# KiCad board SHVC-CPU-01.kicad_pcb (continued)
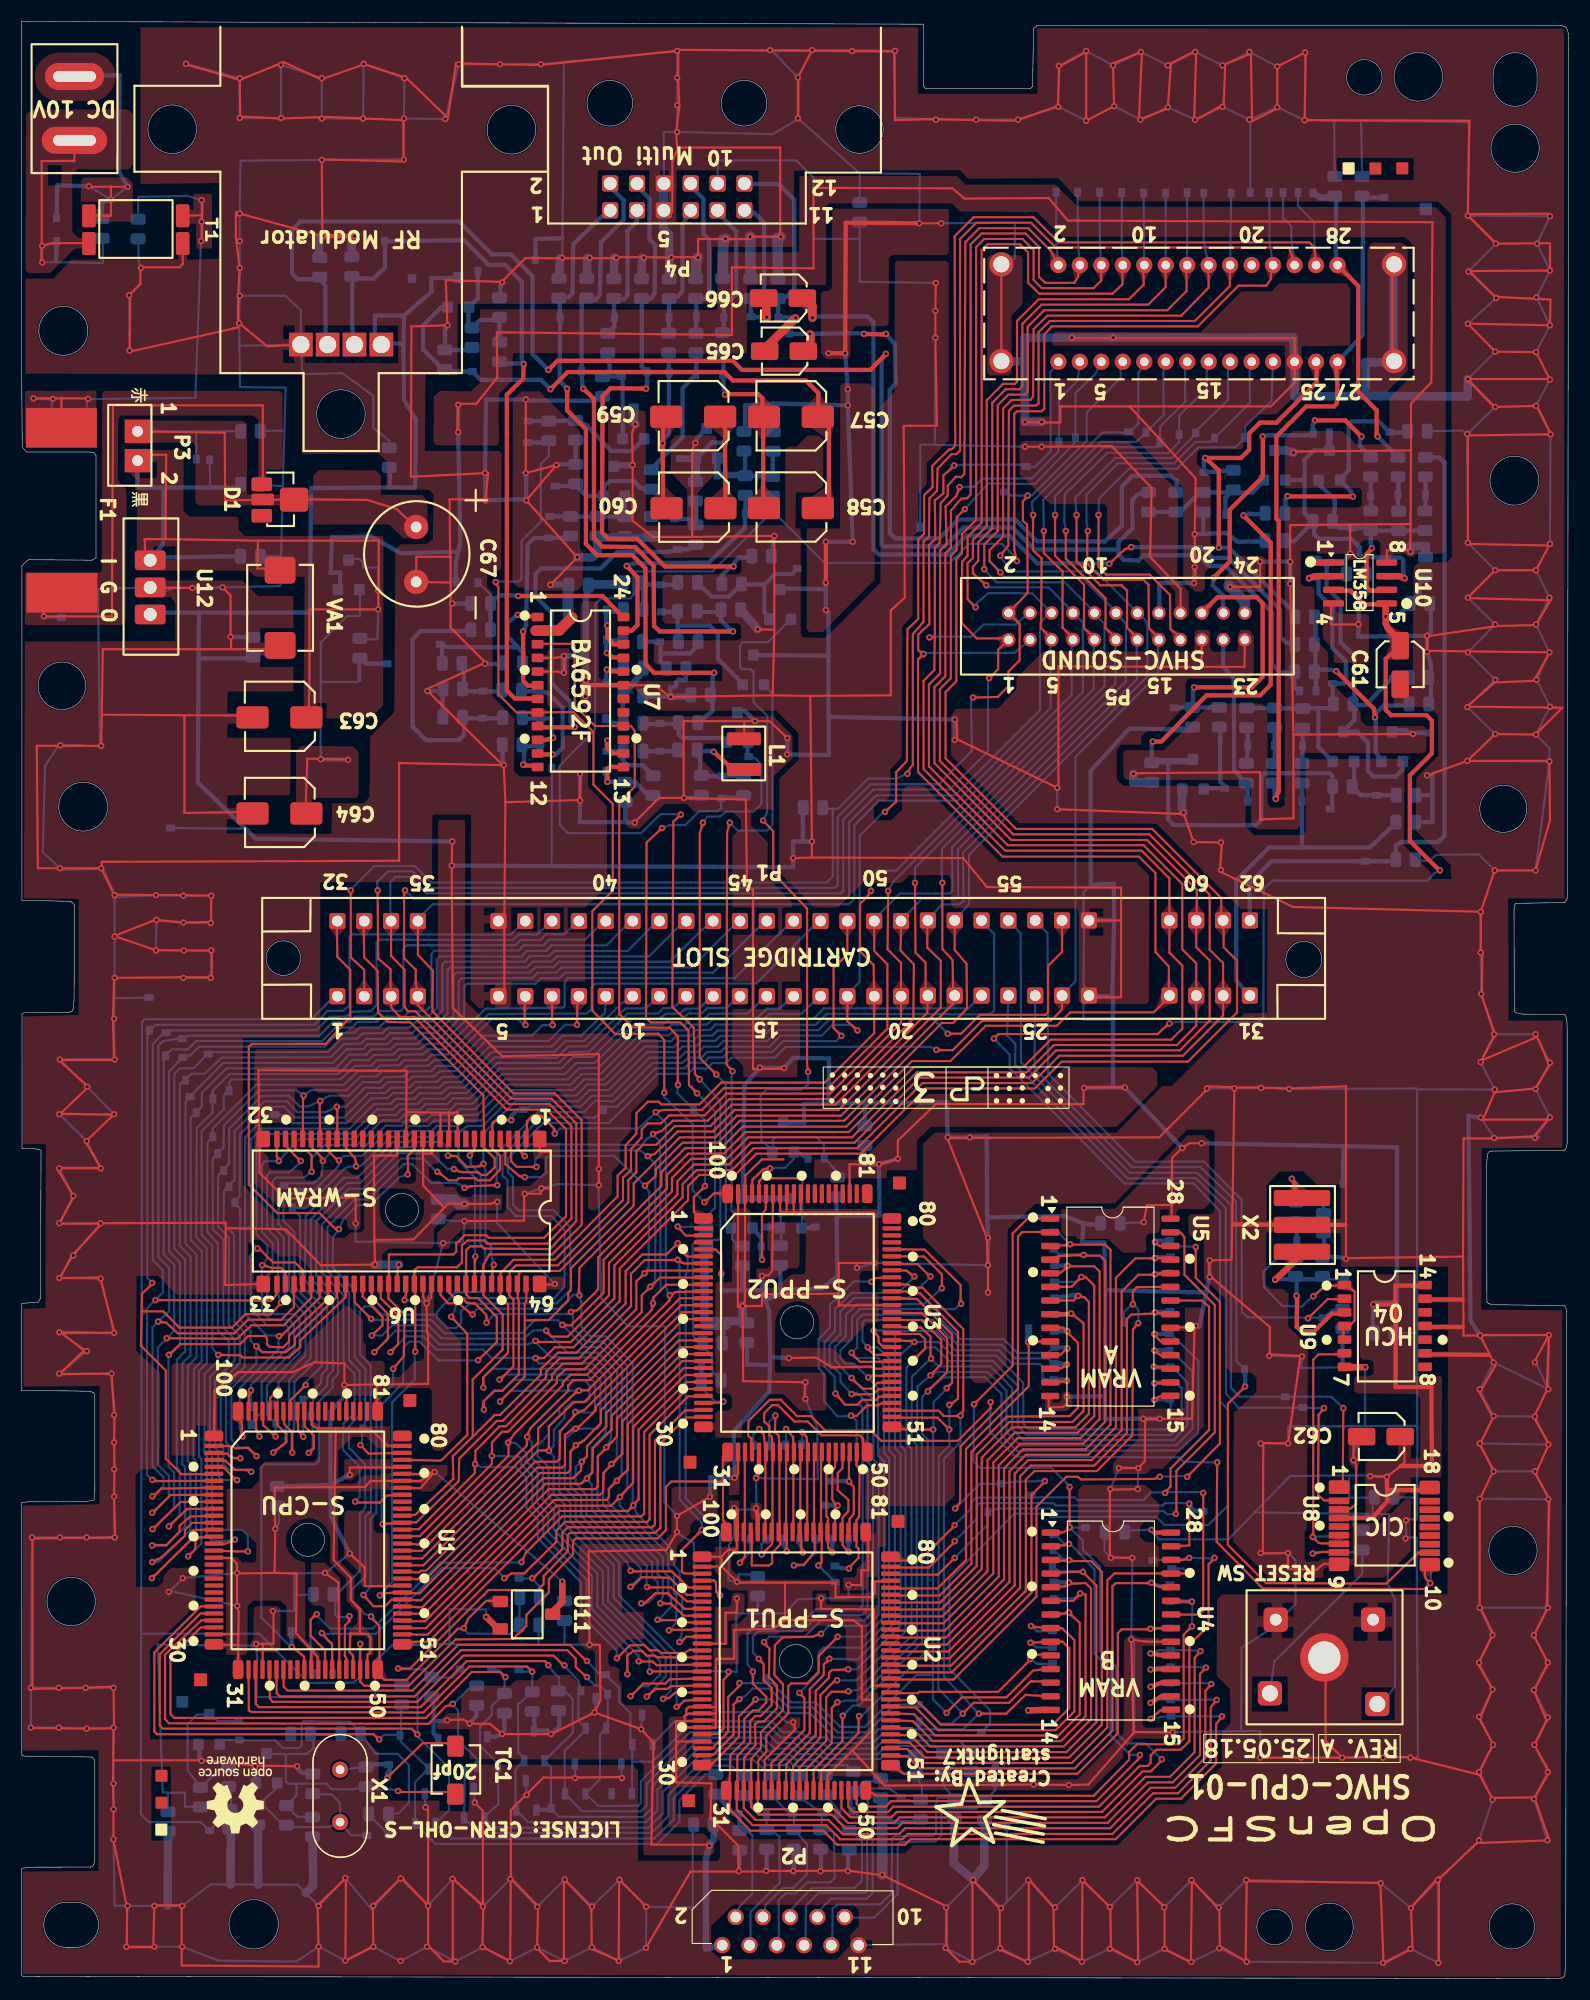
[diagram p0: board, top side]
## Routing (per net, layer and track width the routed paths; a pad name or vN(x,y) marks a point on that pad's centre or on a via; arc(x,y) is an arc through that point) (continued)
  vias: v1(45.08,28.06)
J2.OE: length 86.3
  Top w0.2: 52.58,28.11 51.63,29.01 51.63,29.78 50.85,30.56 40.93,30.56 36.62,26.26 24.08,26.26 23.78,26.56 U1.36
  Bottom w0.2: 52.7,27.98 53.41,27.28 53.89,27.28 54.6,26.57 TP11.1 54.63,23.96 DA7.2 53.89,22.73 53.89,18.55 DA2.2 53.75,16.06 57.45,16.09 57.7,16.39 57.7,18.37 62.27,22.94 69.4,22.94 70.42,21.92 72.02,21.92 72.58,21.36 74.38,21.41 74.85,20.89 79.78,20.89 80.54,21.65 85.09,21.65 R90.1
  vias: v1(52.68,28.06)
J.D6: length 83.6
  Top w0.2: 17.93,34.64 16.73,34.66 12.38,30.36 12.38,23 12.63,22.74 32.8,22.74 33.28,22.26
  Bottom w0.2: v1(33.33,22.26) 33.76,22.67 34.75,22.69 35.32,22.69 ; 35.15,22.7 35.36,22.71 35.35,23.24 35.33,25.19 R77.1 ; 35.33,22.69 35.33,22.06 37.73,19.76 DA10.1 37.68,19.31 36.65,18.26 DA5.1 38.56,12.54 59.22,12.54 61.3,14.61 61.28,16.59 63.68,18.99 R83.1
J.D7: length 137.2
  Top w0.2: U1.26 16.67,33.99 12.88,30.19 12.88,23.56 13.18,23.26 36.34,23.26 36.78,22.83 36.78,22.81 ; U3.29 63.48,52.24 61.92,52.24 59.51,49.83 59.51,41.98 59.03,41.49 51.11,41.49 50.88,41.26 50.88,39.76 48.63,37.46 48.63,36.71 48.08,36.17 43.5,36.17 36.19,28.86 v1(35.08,28.86)
  Bottom w0.2: v1(36.89,22.72) 36.89,26.47 38.1,27.69 38.1,27.74 ; v1(35.08,28.86) 35.15,28.79 37.48,28.79 R78.2 40.18,28.01 TP212.1 ; R84.1 67.09,18.85 66.11,19.82 63.74,19.82 60.75,16.83 60.75,14.79 58.93,13.04 40,13.04 38.6,14.45 39.83,15.68 39.83,18.61 DA10.2 39.81,19.62 36.95,22.48 36.95,22.69
L1: length 10.5
  Top w0.4: v1(64.48,114.21) 66.33,112.51
  Bottom w0.4: 63.33,112.04 63.22,112.14 63.22,114.09 R28.1 63.03,114.28 64.21,114.28 64.28,114.21 ; R29.2 TP24.1 63.21,111.93
LA: length 15.2
  Top w0.8: C66.2 69.38,155.86 69.38,154.71 v1(69.43,154.66)
  Bottom w0.4: 67.93,156.39 67.93,155.11 TP18.1 68.28,154.66 v1(69.43,154.66) ; 68.18,156.26 68.75,156.29 69.18,156.71 69.18,163.46 68.25,164.39 P4.11
MONO: length 38.9
  Top w0.4: 120.68,150.36 120.63,149.16 120.63,148.58 116.9,144.86 115.36,144.86 114.36,143.86 114.36,142.34 113.58,141.56 v1(110.28,141.56) 111.53,140.41 v1(111.53,133.21)
  Bottom w0.4: v1(110.28,141.56) 110.13,141.41 110.13,140.22 TP84.1 111.98,140.36 R66.1 ; v1(111.53,133.21) 112.48,133.21 118.11,127.59 118.15,127.59 R69.2
MUTE: length 25.7
  Top w0.4: v1(109.23,120.21) 114.63,120.21 115.61,121.2 115.61,128.04 115.06,128.6 111.4,128.6 P5.20
  Bottom w0.4: v1(109.23,120.21) 109.13,119.81 109.13,118.89 ; R48.2 R47.2 TP66.1
OUT0: length 81.2
  Top w0.2: U1.37 24.43,27.16 24.78,26.81 36.43,26.81 40.67,31.05 51.12,31.05 52.66,29.51 52.73,29.51
  Bottom w0.2: 56.88,20.19 58.77,20.19 62.02,23.43 69.71,23.43 70.7,22.44 72.45,22.41 72.88,21.91 74.7,21.91 75.21,21.4 79.52,21.4 80.28,22.16 87.35,22.14 88.45,21.12 ; 56.88,20.19 DA6.1 56.73,22.51 56.73,24.7 55.68,25.75 55.68,27.06 54.4,28.29 53.73,28.46 v1(52.68,29.56) ; 56.88,20.19 DA1.2
OUT1: length 36.5
  Top w0.6: U10.1 120.58,131.81 v1(119.98,132.11)
  Bottom w0.4: 128.64,112.87 128.63,112.54 127.99,111.9 125.96,111.9 125.43,112.44 125.43,115.08 124.42,116.09 123.9,116.09 Q15.3 123.6,116.61 124.15,117.14 124.15,117.51 124.16,117.52 124.16,118.53 R63.1 124.15,118.79 124.15,123.11 122.87,124.39 122.87,128.19 121.58,129.48 121.58,131.49 120.85,132.26 120.2,132.29 v1(119.98,132.11) ; 127.73,121.06 127.23,120.64 125.23,118.56 124.95,118.56 124.16,118.57 ; TP70.1 129,121.08
OUT2: length 29.7
  Top w0.6: v1(128.83,130.36) 128.33,130.56 U10.7
  Bottom w0.4: 119.52,139.62 119.52,141.4 120.38,142.26 Q14.3 121.84,142.27 ; 120.43,135.61 120.43,134.46 120.88,134.03 123.88,134.03 124.68,133.24 124.65,132.54 125.05,132.34 128.43,132.29 128.7,132.09 128.7,131.06 v1(128.83,130.36) ; 121.84,143.87 121.88,143.91 ; 117.73,133.81 118.58,133.81 119.45,134.74 ; 117.71,139.5 119.52,139.51 119.52,136.4 120.26,135.66 R56.1 119.48,134.76
  Bottom w0.6: TP81.1 Q14.3
OV: length 27.2
  Top w0.2: U3.50 78.38,49.91 78.38,50.27 78.07,50.57 74.51,50.57 73.23,51.86 71.99,51.86 70.47,53.38 69.92,53.38 69.18,52.63 69.18,51.86 69.68,51.41 69.68,50.61 69.88,50.46 U3.37 69.95,48.96 69.95,41.61 ; v1(68.94,39.47) 69.93,40.46 69.93,41.16
  Bottom w0.2: 68.93,39.51 68.93,40.46 TP197.1
P.CI: length 22.4
  Top w0.2: v1(70.23,52.41) 70.18,50.86 70.53,50.56 U3.38 70.61,48.97 70.61,41.61 70.65,41.56 70.68,40.41 69.93,39.61 69.93,38.66 69.63,38.46 68.03,38.46 68.03,40.46 68.05,41.56
  Bottom w0.2: TP112.1 69.63,49.81 69.63,51.81 v1(70.23,52.41)
P.CO: length 6.4
  Top w0.2: U3.27 65.13,53.61
  Bottom w0.2: v1(65.38,53.71) 64.63,53.71 63.36,54.98 63.36,55.44 63.53,55.61
  Bottom w0.4: TP117.1 R98.1
P.RESO: length 88.4
  Top w0.2: v1(111.38,48.06) 111.33,40.66 115.63,36.31 130.73,36.26 v1(131.23,36.81) 130.83,37.21 130.73,37.41 130.73,37.91 U8.10 130.73,38.09 ; U3.34 67.98,50.26 67.68,50.56 67.73,51.91 69.7,53.89 70.72,53.89 72.24,52.36 73.53,52.36 74.88,51.01 79.13,51.01 80.09,50.05 87.21,50.05 90.28,53.12 90.28,53.51
  Bottom w0.2: v1(131.23,36.81) 131.28,37.36 131.28,38.66 ; v1(90.28,53.66) 90.2,50.91 92.6,48.59 107.83,48.51 108.25,48.11 111.2,48.04
P.RST: length 13
  Top w0.2: U3.33 67.38,48.99 67.38,41.66 U2.98 ; 67.38,41.16 67.38,39.26 v1(66.92,38.7)
  Bottom w0.2: 66.93,38.71 67.88,39.71 67.88,40.86 ; TP196.1 67.83,40.61
PA0: length 262.6
  Top w0.2: 39.01,64.91 39.03,63.66 39.73,62.86 40.73,62.86 42.03,61.76 ; v1(61.28,31.32) 61.43,31.32 61.93,31.81 63.53,31.84 ; v1(86.88,140.86) 86.33,140.31 85.88,139.96 85.88,138.26 85.08,137.61 85.13,134.01 84.53,133.46 84.58,126.11 83.53,125.11 83.53,123.66 v1(84.03,123.31) 83.51,122.8 83.51,112.33 91.39,104.45 104.09,104.45 105.63,102.91 105.63,95.56 106.88,94.21 106.88,92.51 P1.28 106.93,91.42 105.46,89.95 97.68,89.95 96.43,88.7 89.81,88.7 86.53,85.41 82.93,85.41 76.83,79.31 67.18,79.31 65.18,77.31 61.82,77.31 59.61,75.09 59.61,73.79 51.98,66.16 51.93,63.91 v1(51.98,63.61) ; U3.24 61.93,55.54 57.48,51.08 57.48,44.61 56.98,44.01 56.5,43.53 50.11,43.53 37.94,31.36 36.88,31.36 35.63,31.16
  Bottom w0.2: P5.3 92.49,123.41 84.43,123.41 84.08,123.32 ; P6.1 95.83,149.51 95.88,142.19 94.43,140.74 93.6,140.74 TP169.1 ; v1(86.88,140.86) 87.8,140.94 93.3,140.94 93.38,140.86 ; v1(61.28,31.32) 61.5,32.06 61.55,35.86 61.3,36.19 61.3,37.91 60.78,38.49 60.78,39.71 57.28,43.34 57,44.06 56.93,44.26 56.93,57.26 54.43,59.79 52.95,59.81 52.15,60.69 52.15,62.96 51.93,63.69 51.38,63.64 50.1,62.36 42.47,62.36 41.95,61.84
  vias: v1(42.03,61.81) v1(56.99,44.04)
PA1: length 284.8
  Top w0.2: 43.33,61.16 43.33,61.56 43.28,61.81 42.23,62.86 41.48,62.91 41.03,63.41 40.28,63.41 39.83,63.86 39.81,64.91 ; 106.98,98.76 106.93,98.81 ; 35.63,32.09 36.83,32.01 37.82,32.01 49.83,44.02 54.94,44.02 55.68,44.76 56.98,46.16 56.98,51.36 61.81,56.19 U3.23 ; v1(84.58,124.86) 85.08,124.86 ; P6.2 95.88,160.85 93.77,162.95 89.22,162.95 87.93,161.66 87.83,140.06 87.53,139.76 87.03,139.81 86.28,138.96 86.28,138.06 85.63,137.36 85.53,133.66 85.08,133.21 85.08,125.26 85.03,121.81 84.02,120.81 84.02,112.6 91.62,105 104.33,105 106.93,102.41 P1.59 106.93,95.51 108.13,94.31 108.13,88.43 107.11,87.41 95.88,87.41 93.33,84.86 83.13,84.86 77.08,78.81 67.45,78.81 65.43,76.8 62.1,76.8 60.13,74.82 60.13,73.55 53.72,67.15 53.72,64.16 51.78,62.21 51.23,62.11 ; 63.53,32.49 61.23,32.46 60.35,32.46 v1(60.3,32.41)
  Bottom w0.2: 84.9,124.94 88.43,124.91 89.63,126.06 92.6,126.04 93.43,126.79 P5.4 ; 43.33,61.09 44.03,61.86 50.88,61.86 51.1,62.09 51.1,61.99 51.38,61.71 51.35,60.61 52.65,59.26 54.13,59.31 56.4,57.04 56.43,45.66 55.7,44.79 55.7,44.05 60.25,39.5 60.25,38.19 60.78,37.69 60.78,35.88 61,35.65 61,33.14 v1(60.3,32.41) ; P6.2 96.38,161.71 96.38,166.21
  vias: v1(43.33,61.06) v1(51.18,62.06) v1(55.74,44.83)
PA2: length 263.7
  Top w0.2: 31.01,64.91 31.03,62.96 v1(32.58,61.41) ; 50.43,60.81 51.2,60.81 54.23,63.84 54.23,66.91 60.59,73.28 60.59,74.53 62.38,76.31 65.69,76.31 67.69,78.31 77.36,78.31 83.41,84.36 93.63,84.36 96.17,86.91 107.62,86.91 109.43,88.71 P1.29 109.43,92.61 109.43,94.51 108.13,95.81 108.13,101.91 104.52,105.51 91.87,105.51 84.53,112.85 84.53,120.46 85.57,121.51 85.57,132.96 86.18,133.56 86.08,137.06 87.08,138.01 v1(87.38,138.86) ; 35.63,32.74 36.43,32.61 37.67,32.61 49.61,44.56 54.48,44.56 54.73,44.8 54.73,45.56 55.48,46.41 56.48,47.36 56.48,51.61 61.7,56.84 U3.22 ; v1(59.25,33.4) 59.29,33.36 61.63,33.36 61.98,33.16 63.53,33.14
  Bottom w0.2: P6.3 98.38,148.76 96.65,147.04 96.63,143.44 ; 96.59,142.71 96.6,142.41 96.6,142.19 94.13,139.66 89.5,139.64 88.75,138.89 v1(87.38,138.86) ; 59.28,33.36 60.5,34.56 60.53,35.36 60.25,35.71 60.25,37.44 59.75,37.94 59.75,39.21 54.65,44.34 54.68,45.61 55.48,46.34 55.9,46.84 55.95,56.81 54,58.79 52.43,58.79 v1(50.38,60.86) 49.96,61.3 47.85,61.34 46.63,60.09 39.43,60.06 38.16,61.32 32.66,61.32 v1(32.58,61.41)
  vias: v1(55.46,46.34)
PA3: length 292.1
  Top w0.2: v1(59.5,34.93) 59.51,34.91 60.48,34.91 61.71,33.77 63.53,33.79 ; 48.93,60.16 49.38,59.76 50.88,59.76 54.72,63.61 54.72,66.62 61.1,72.99 61.1,74.23 62.65,75.78 65.91,75.78 67.94,77.81 77.61,77.81 83.68,83.88 93.85,83.88 96.38,86.41 107.9,86.41 110.68,89.19 110.68,94.77 109.43,96.02 P1.60 ; U1.54 35.55,33.26 37.59,33.26 49.36,45.03 53.9,45.03 54.18,45.31 54.23,47.06 54.93,47.81 55.97,48.85 55.97,51.88 61.57,57.49 U3.21 ; 109.48,98.46 109.48,101.36 104.85,105.99 92.2,105.99 85.03,113.15 85.03,120.22 86.06,121.24 86.06,132.7 86.58,133.22 86.58,136.66 87.53,137.76 88.08,137.81 88.41,138.15 88.41,161.45 89.43,162.46 93.52,162.46 94.78,161.21 94.78,158.41 95.38,157.86 98.08,157.86 98.43,158.46 98.42,159.46 ; v1(32.63,59.86) 33.63,60.81 33.63,61.56 31.78,63.51 31.81,64.91
  Bottom w0.2: P6.4 98.4,161.66 TP164.1 ; 32.75,59.89 33.58,59.86 34.55,60.81 37.9,60.81 39.13,59.59 46.8,59.56 47.6,60.31 48.38,60.36 48.83,60.29 50.88,58.26 53.65,58.26 55.45,56.51 55.45,48.41 54.98,47.91 54.18,47.04 54.18,44.11 59.25,38.94 59.25,37.64 59.75,37.21 59.75,35.64 v1(59.5,34.93)
  vias: v1(48.88,60.31) v1(54.96,47.9)
PA4: length 272.2
  Top w0.2: v1(32.88,58.31) 34.13,59.56 34.13,61.86 32.63,63.46 32.61,64.91 ; 111.93,92.66 111.93,94.53 110.68,95.78 110.68,100.91 105.06,106.52 92.38,106.52 85.54,113.36 85.54,120.03 86.57,121.05 86.57,132.44 87.11,132.99 87.11,136.05 v1(87.88,136.81) ; 111.93,92.66 P1.30 111.93,89.65 108.19,85.91 96.68,85.91 94.13,83.37 83.92,83.37 77.85,77.3 68.2,77.3 66.17,75.26 62.88,75.26 61.58,73.96 61.58,72.73 55.23,66.38 55.23,63.32 51.17,59.26 47.98,59.26 ; 111.93,92.66 111.93,92.46 ; v1(57.73,34.93) 58.04,34.93 58.53,35.41 59.03,35.86 60.23,35.86 61.78,34.41 63.53,34.44 ; 63.53,58.14 61.47,58.14 55.48,52.14 55.48,50.56 55.43,50.41 54.48,49.41 53.68,48.62 53.68,45.81 53.43,45.56 49.12,45.56 37.52,33.96 35.5,33.96
  Bottom w0.2: P6.5 100,149.36 98.18,147.61 TP167.1 98.18,143.06 98.08,142.94 94.38,139.14 90.05,139.19 v1(87.88,136.81) ; v1(47.88,59.36) 47.17,59.03 38.93,59.03 37.68,60.29 34.83,60.31 v1(32.88,58.31) ; 47.78,59.31 49.35,57.81 53.48,57.81 54.93,56.21 54.9,50.31 54.53,49.46 53.68,48.59 53.65,43.81 58.75,38.69 58.75,37.42 59.26,36.91 59.26,35.89 58.33,34.96 57.68,34.89
  vias: v1(54.48,49.46)
PA5: length 294.7
  Top w0.2: P1.61 111.75,98.69 111.75,100.6 105.33,107.02 92.65,107.02 86.08,113.6 86.08,119.77 87.08,120.77 87.08,132.17 87.6,132.69 87.6,134.47 88.93,135.79 88.93,161.2 89.68,161.95 93.25,161.95 94.28,160.92 94.28,158.13 95.03,157.38 99.87,157.38 100.57,158.08 100.57,159.27 100.43,159.41 ; P1.61 111.98,97.46 111.98,96.02 113.23,94.77 113.23,89.94 108.65,85.36 96.89,85.36 94.39,82.86 84.23,82.86 78.16,76.79 68.46,76.79 66.47,74.81 63.13,74.81 62.09,73.78 62.09,72.46 55.73,66.1 55.73,63.07 51.43,58.77 49.68,58.77 48.68,57.76 v1(47.88,57.76) ; P1.61 111.87,98.57 ; P1.61 111.75,98.69 ; v1(34.38,58.31) 35.08,59.06 35.13,61.71 33.48,63.31 33.41,64.91 ; U3.19 61.37,58.79 54.98,52.39 54.98,51.11 53.23,49.36 53.18,47.11 v1(52.68,46.56) 52.13,46.06 48.83,46.06 37.33,34.56 36.88,34.56 35.63,34.69 ; 63.53,35.09 61.98,35.11 60.48,36.41 58.29,36.41 v1(58.26,36.45)
  Bottom w0.2: 34.35,58.29 35.83,59.79 37.41,59.79 38.66,58.54 42.99,58.54 43.74,57.79 47.38,57.79 47.93,57.64 48.21,57.25 53.13,57.29 54.4,56.04 54.43,50.74 53.13,49.36 53.13,47.16 52.65,46.59 53.13,45.99 53.15,43.61 58.25,38.41 58.23,37.29 v1(58.26,36.45) ; TP163.1 100.45,161.66 P6.6
PA6: length 271.1
  Top w0.2: v1(34.63,56.76) 35.63,57.96 35.68,61.81 34.18,63.31 34.21,64.91 ; 63.53,35.74 61.98,35.71 60.38,37.31 57.78,37.36 56.88,36.46 v1(56.72,36.46) ; 34.88,35.26 34.48,35.26 33.88,34.66 32.78,34.66 v1(31.86,35.71) ; 88.63,119.26 90.93,119.31 91.93,120.31 91.93,121.66 92.98,122.71 92.98,126.11 P5.2 93.73,129.01 93.68,135.36 93.28,135.71 93.28,137.51 93.63,137.91 ; U3.18 63.5,59.41 61.23,59.41 54.48,52.66 54.48,51.41 52.68,49.56 52.68,48.61 52.13,48.06 52.13,47.31 51.39,46.58 48.59,46.58 37.22,35.21 36.78,35.21 35.63,35.34 ; v1(33.18,101.31) 33.23,94.96 34.38,93.96 34.38,92.66 P1.3 34.43,90.61 34.48,90.36 35.28,89.51 36.58,89.51 45.19,80.9 48.9,80.9 50.73,79.07 50.73,70.96 48.68,68.96 43.53,68.96 43.29,69.2 41.28,69.2 40.5,68.42 40.5,67.69 40.23,67.41 34.23,67.41 34.23,65.41
  Bottom w0.2: v1(56.72,36.46) 57.68,37.41 57.7,38.19 52.6,43.29 52.65,45.01 51.63,46.11 51.63,47.66 v1(52.18,48.11) ; v1(33.18,101.31) 33.13,102.09 34.13,103.06 36.38,103.09 37.98,101.54 75.79,101.54 76.03,101.77 76.03,108.14 79.1,111.19 85.45,111.19 88.53,114.29 88.45,118.91 88.53,119.21 ; 91.78,138.46 92.03,138.19 92.15,138.06 v1(93.73,138.06) 94.1,138.06 99.23,143.19 99.23,145.81 102.4,149.06 102.38,150.44 ; v1(34.63,56.76) 34.58,55.26 33.05,53.74 33.05,43.34 32.5,42.79 32.53,36.46 v1(31.86,35.71)
  vias: v1(88.63,119.26)
PA7: length 295.7
  Top w0.2: 91.63,124.76 88.98,124.76 87.57,126.21 87.62,131.91 88.13,132.46 88.13,134.21 89.43,135.52 89.43,160.91 89.99,161.46 93,161.46 93.77,160.7 93.77,157.89 94.79,156.86 101.63,156.86 102.58,157.76 102.53,158.96 102.42,159.46 ; v1(36.68,58.36) 36.68,63.86 36.61,64.91 ; P5.1 90.98,123.71 90.98,121.91 90.22,121.12 ; v1(33.38,35.66) 33.78,35.86 35.63,35.99 36.63,35.86 37.1,35.86 48.3,47.06 50.88,47.06 51.13,47.36 51.13,49.01 51.68,49.66 52.43,50.11 53.98,51.71 53.98,52.9 61.15,60.07 63.09,60.07 63.18,60.16 ; v1(56.74,37.96) 56.79,37.91 60.58,37.91 62.13,36.41 63.53,36.39 ; 36.58,65.16 36.63,65.99 36.93,66.21 40.58,66.21 41.03,66.66 41.03,68.26 41.58,68.71 43.08,68.71 43.38,68.41 48.98,68.41 51.23,70.76 51.23,79.36 49.18,81.41 45.38,81.41 36.68,90.06 35.98,90.06 35.68,90.51 35.68,93.91 34.43,95.21 P1.34
  Bottom w0.2: 51.58,49.56 51.15,49.16 51.13,45.84 52.13,44.86 52.13,43.06 56.4,38.74 v1(56.74,37.96) ; 90.03,120.84 90.03,120.83 90.03,114.27 86.46,110.69 79.36,110.69 76.55,107.89 76.55,101.26 76.33,101.04 37.7,101.04 36.19,102.55 34.82,102.55 34.35,102.08 34.35,99.69 P1.34 ; 33.35,35.66 34.53,36.91 34.53,53.64 36.63,55.75 36.63,58.32 v1(36.68,58.36) ; P6.8 102.48,161.54 102.5,165.71 102.48,166.36
  vias: v1(51.62,49.65) v1(90.13,121.06)
PHI2: length 124.5
  Top w0.2: U1.72 34.03,44.96 33.38,44.31 31.16,44.31 v1(31.07,44.4) ; v1(45.63,79.91) 44.41,79.91 44.12,79.86 43.91,79.69 43.87,79.62 43.88,78.36 ; 43.81,78.41 43.83,77.41 43.88,77.21 44.58,76.61 44.58,75.31 43.63,74.31 42.53,74.31 42.28,74.51 40.73,74.51 40.58,74.31 39.78,74.31 38.78,75.11 ; P1.57 96.93,95.58 95.63,94.28 95.63,89.96 95.38,89.72 89.28,89.72 87.53,87.96 v1(86.28,87.96)
  Bottom w0.2: v1(31.07,44.4) 31.5,44.86 31.5,47.64 29.95,49.21 30,51.66 31.03,52.64 31.03,56.31 30,57.31 29.98,63.64 27.98,65.71 28,70.21 30.78,73.04 32.08,73.04 35.38,76.34 37.42,76.34 38.6,75.16 38.65,75.16 ; 46.65,80.81 TP248.1 47.38,81.19 52.1,81.19 53.1,82.16 54.95,82.19 58.5,85.74 61.35,85.74 61.85,86.26 63.13,86.26 63.58,86.76 64.87,86.76 65.38,87.27 69.46,87.27 70.48,88.29 74.23,88.29 75.23,89.3 84.94,89.3 v1(86.28,87.96)
  Bottom w0.4: v1(45.63,79.91) 45.64,79.92 45.64,80.32 46.08,80.76 TP248.1
  vias: v1(38.73,75.11)
PPU.B: length 8.1
  Top w0.2: U3.97 68.08,74.36 69.13,75.36 69.78,75.41
  Bottom w0.2: v1(69.73,75.41) 70.18,75.46 71.1,75.46 71.93,76.29 71.93,76.93
  Bottom w0.4: 71.93,76.93 72.58,76.76 TP119.1
PPU.G: length 11.8
  Top w0.2: U3.96 68.7,74.24 68.97,74.5 72.42,74.5 v1(72.83,74.81)
  Bottom w0.2: Q5.2 72.73,70.76 72.73,73.71 72.78,74.41 v1(72.83,74.81)
  Bottom w0.4: 72.63,69.87 72.66,69.9 73.87,69.9 TP110.1
PPU.R: length 9.6
  Top w0.2: 68.98,66.86 68.98,71.11 69.08,71.26 69.33,71.61 69.35,73.06
  Bottom w0.4: v1(68.98,66.91) 68.88,67.41 TP116.1 68.93,68.96 68.07,69.87
PRD: length 304.5
  Top w0.2: 35.63,42.49 36.78,42.46 40.73,46.31 40.78,48.41 44.28,51.91 44.81,51.91 48.88,55.98 48.88,56.48 50.13,57.73 51.91,57.73 56.78,62.59 56.78,65.61 58.05,66.89 61.1,66.89 v1(61.13,66.91) ; v1(42.53,57.56) 44.28,59.26 44.28,61.59 42.52,63.35 41.77,63.35 41.41,63.71 41.41,64.91 41.43,67.81 41.78,68.16 42.83,68.16 43.08,67.96 49.23,67.91 51.68,70.51 51.68,79.61 49.38,81.91 45.63,81.91 36.93,90.61 P1.4 36.73,92.61 36.73,93.91 35.64,95 35.64,101.23 v1(35.73,101.31) ; U1.68 34.3,42.36 v1(33.64,42.3) ; v1(88.88,127.66) 88.13,128.41 88.13,131.76 88.63,132.26 88.63,133.94 89.91,135.22 89.91,146.94 91.44,148.46 92.53,148.46 92.73,148.67 92.73,154.32 94.75,156.34 103.16,156.34 104.53,157.7 104.53,158.41 104.42,159.46 ; 63.53,37.69 61.78,37.71 61.53,37.86 61.53,39.92 63.28,41.67 63.28,41.76 ; U3.7 61.78,66.56 60.98,66.86 60.96,66.85
  Bottom w0.2: 33.7,42.26 33.55,42.74 33.55,53.39 35.55,55.49 35.6,58.81 36.13,59.29 37.08,59.29 38.88,57.54 v1(42.53,57.56) ; 63.35,41.84 63.35,42.46 61.3,44.59 61.3,66.26 v1(61.13,66.91) ; 94.85,118.07 86.95,110.16 79.63,110.16 77.1,107.66 77.1,100.8 76.82,100.52 36.52,100.52 v1(35.73,101.31) ; 95.63,126.96 94.87,126.21 94.87,118.07 ; 88.9,127.66 89,128.09 90.08,128.99 94.15,128.96 P5.6 ; P6.10 TP161.1
  vias: v1(63.38,41.76)
PRI.0: length 12.9
  Top w0.2: v1(74.23,38.45) 74.53,38.74 74.53,39.26 74.55,41.56 74.48,41.64 74.48,48.94 U3.44
  Bottom w0.2: TP204.1 74.28,38.41
PRI.1: length 10.8
  Top w0.2: U3.45 75.23,47.81 74.98,47.56 74.98,43.02 75.13,42.86 U2.86 75.13,40.26 75.18,40.06 v1(75.53,39.68) 75.53,39.71
  Bottom w0.4: TP201.1 75.53,39.81
PWR: length 253.8
  Top w0.2: 63.53,37.04 64.53,37.06 64.68,36.91 64.73,35.96 64.98,35.76 ; 42.04,50.45 40.18,48.61 40.23,46.51 36.68,43.16 35.63,43.14 ; 42.04,50.45 44.08,52.46 44.58,52.46 48.38,56.21 48.38,56.76 49.98,58.26 51.69,58.26 56.28,62.85 56.28,65.86 57.82,67.41 60.08,67.41 61.08,68.41 61.83,67.36 62.03,67.21 U3.6 ; 42.04,50.45 42.03,55.76 44.82,58.55 44.82,61.83 43.03,63.62 43.03,64.31 ; 36.93,98.26 36.93,95.31 38.33,93.81 38.28,90.06 45.83,82.41 49.67,82.41 52.18,79.9 52.18,70.16 49.43,67.41 43.58,67.41 43.03,66.41 43.01,64.91 ; v1(94.23,136.26) 94.22,132.97 95.03,132.21 94.98,125.71 95.63,125.06 P5.5
  Bottom w0.2: 95.88,124.56 95.87,124.56 95.87,118.31 87.23,109.66 79.85,109.66 77.58,107.36 77.58,100.52 77.07,100.02 38.29,100.02 36.93,98.65 P1.35 ; v1(65.08,35.66) 65.08,41.51 61.88,44.71 61.88,65.51 62.05,65.79 62.05,67.56 61.19,68.38 ; 103.22,144.01 TP90.1 103.27,144.01 104.03,144.76 104.03,149.39 P6.9 ; 103.07,143.94 100.7,143.94 94.1,137.44 v1(94.23,136.26)
  vias: v1(61.13,68.46)
Q13: length 66.1
  Top w0.4: 106.18,115.16 110.38,119.46 115.37,119.46 116.36,120.45 116.36,133.68 v1(113.83,136.21) ; 106.14,115.16 v1(105.38,115.16)
  Bottom w0.4: R49.2 105.28,114.84 v1(105.38,115.16) ; 106.8,113.39 106.83,107.89 107.3,107.39 114.98,107.36 115.48,107.89 115.5,111.71 115.55,111.96 115.75,112.16 ; v1(113.83,136.21) 114.3,136.36 114.98,136.34 115.83,136.33 ; R59.1 122.08,110.56 122.09,109.02 ; 121.9,112.21 115.75,112.21 ; 122.11,111.17 122.1,111.81 122.1,111.96 121.9,112.16
  Bottom w0.6: Q13.3 108.63,113.36 108.6,113.34 105.43,113.34 R49.2
Q14: length 20.7
  Top w0.4: 124.08,137.96 124.05,137.98 117.95,137.98 v1(117.93,138.01)
  Bottom w0.4: v1(117.93,138.01) 117.73,137.66 117.75,137.11 ; C53.2 128.98,143.93 127.47,143.93 TP91.1 126.5,144.89 126.43,144.96 123.88,144.96 123.63,144.71 123.63,140.41 122.81,139.5 123.83,138.46 v1(124.03,137.96)
Q18: length 37.6
  Top w0.2: v1(27.88,113.51) 30.43,113.51 ; 26.46,108.61 26.63,113.56 27.88,113.56
  Bottom w0.2: 27.88,120.71 31.28,120.71 31.48,120.91 ; 27.88,120.71 v1(27.88,113.51) ; 27.88,120.71 27.88,124.39 30.34,126.85 31.53,126.85 31.53,128.01 31.53,128.01 31.53,129.01
  Bottom w0.4: TP65.1 34.04,122.41 32.05,122.41 R76.1 ; 31.68,122.96 31.48,122.76 31.48,120.91 ; v1(30.43,113.46) v1(27.88,113.51)
R: length 60.7
  Top w0.4: v1(50.83,148.01) 50.83,145.99 52.58,144.24 52.58,133.56 53.63,132.51 56.89,132.51 58.13,131.28 58.13,122.36 58.93,121.56 v1(64.53,121.56)
  Bottom w0.4: 50.15,155.11 50.15,155.51 50.14,156.32 ; 50.18,154.51 50.18,153.96 50.13,148.74 v1(50.83,148.01) ; R9.1 64.38,120.06 64.38,121.16 64.48,121.56 ; P4.1 53.9,163.91 51.4,161.46 51.33,156.91 50.95,156.51 50.38,156.51 ; R8.1 64.38,118.01 64.39,119.17
R7: length 53.9
  Top w0.2: v1(64.73,84.16) 63.18,85.71 63.18,106.61 v1(63.48,107.61)
  Bottom w0.2: v1(64.73,84.16) 65.62,83.27 65.62,70.54 Q3.1 66.18,69.78 66.18,68.86 66.86,68.17 R7.2 ; TP33.1 68.4,113.56 68.93,113.01 68.93,109.36 68.18,108.64 65.63,108.64 65.08,108.19 63.88,108.16 v1(63.48,107.61)
  Bottom w0.4: TP33.1 67.63,113.86 67.66,115.09
R12: length 63.2
  Top w0.2: v1(65.98,107.61) 65.73,106.71 65.68,85.11 v1(66.23,84.46)
  Bottom w0.2: R12.2 70.78,68.86 70.75,69.87 70.71,69.91 70.71,70.93 70.43,71.21 66.43,71.24 66.13,71.49 66.15,84.01 v1(66.23,84.46) ; 69.18,120.37 Q6.2 69.73,119.86 69.95,119.6 69.95,107.39 69.44,106.87 66.71,106.87 v1(65.98,107.61)
  Bottom w0.4: TP115.1 69.42,69.96 70.66,69.96 70.75,69.87
R17: length 69.7
  Top w0.2: v1(73.28,84.41) 73.18,85.11 73.18,99.61 70.03,102.91 70.03,106.81 v1(69.08,107.81)
  Bottom w0.2: v1(73.28,84.41) 73.28,83.24 72.6,82.74 69.43,82.79 68.85,82.19 68.93,77.99 69.5,77.51 70.13,77.11 ; 71.6,126.24 71.68,126.16 ; v1(69.08,107.81) 69.45,108.51 69.45,117.57 68.19,118.84 68.19,121.63 67.92,121.89 67.12,121.89 66.93,122.09 66.93,124.06 67.15,124.41 69.51,124.41 71.15,126.06 71.66,126.55 ; 70.05,76.93 69.98,78.06 70.33,78.36 73.88,78.36 74.03,78.34 74.75,77.62 TP118.1 ; 74.95,76.24 75.23,75.91 76.03,75.01
R71: length 20
  Top w0.4: v1(126.08,117.41) 125.98,118.21 v1(122.48,121.71)
  Bottom w0.4: 120.59,121.18 120.58,120.54 120.58,120.14 ; 120.58,124.94 120.55,125.59 120.55,126.28 ; v1(126.08,117.41) 126.15,116.94 126.15,114.19 126.33,113.91 126.77,113.3 ; v1(122.48,121.71) 122,121.84 121.28,121.86 120.67,121.86 ; R71.1 120.53,122.11 120.52,123.97 ; 128.94,118.5 128.43,118.51 126.9,118.51 126.2,117.86 126.08,117.54
R73: length 8.6
  Top w0.4: X2.2 118.58,73.01 118.58,74.01 118.43,74.31
  Bottom w0.4: C55.1 TP145.1 119.83,72.71 R73.2 118.78,72.61 118.8,73.94 118.28,74.46
  vias: v1(118.33,74.46)
RA: length 23
  Top w0.8: C65.2 69.68,152.16 72.08,154.56
  Bottom w0.4: 70.58,154.66 70.59,154.65 72.09,154.65 v1(72.13,154.61) 72.08,154.66 ; 70.48,156.36 70.47,156.36 70.47,154.73 TP13.1 ; P4.12 67.39,167.07 70.53,167.07 71.98,165.62 71.98,157.16 71.08,156.46 C52.2
REFRESH: length 100.5
  Top w0.2: v1(25.18,30.86) 25.98,30.26 26.33,29.96 U1.40 ; v1(40.28,75.36) 40.83,75.11 41.18,75.06 42.53,75.06 42.83,74.81 43.33,74.81 44.08,75.51 44.08,76.36 43.08,77.34 43.01,78.41 ; 31.88,97.56 31.88,97.46 ; 31.88,97.46 P1.33 ; 31.88,97.46 31.93,95.06 33.18,93.81 33.23,89.91 34.18,89.06 36.23,89.01 43.03,82.21 43.08,79.36 43.07,78.82
  Bottom w0.2: 40.18,75.39 39.68,75.36 38.2,76.81 35.13,76.84 31.83,73.51 30.5,73.54 27.48,70.51 27.45,65.41 29.48,63.41 29.5,56.29 28.98,55.74 28.98,55.01 27.7,53.69 27.7,48.14 27.35,47.86 22.6,47.86 22.34,47.6 22.34,33.62 25.09,30.86 v1(25.18,30.86)
  Bottom w0.4: TP219.1 25.18,30.91
RES.SW: length 23.7
  Top w0.2: v1(120.28,39.56) 121.18,39.71 122.38,39.71
  Bottom w0.2: U15.4 116.7,29.51 124.88,37.66 124.9,38.91 124.93,39.81 ; TP194.1 122.81,39.67 123.87,39.67 123.88,39.66 C29.1 ; TP194.1 122.58,39.71 ; TP194.1 120.73,39.71 v1(120.28,39.56)
RESET: length 255.2
  Top w0.2: U1.50 33.34,28.93 33.34,32.85 32.56,33.63 v1(32.56,33.7) ; 33.33,28.81 33.33,28.29 33.81,27.81 35.89,27.81 40.64,32.56 41.18,32.56 41.58,33.41 41.58,33.47 43.27,35.16 43.78,35.16 U11.1 ; 42.21,78.41 42.18,77.11 41.76,76.7 v1(41.76,76.63) ; P1.26 96.93,90.22 95.87,89.16 89.48,89.16 86.75,86.43 85.26,86.43 v1(85.23,86.46) ; P5.15 105.43,125.31 105.03,125.71 104.98,129.76 104.52,130.22 100.77,130.22 99.28,131.71 99.28,134.61
  Bottom w0.2: 38.68,61.81 38.7,62.04 40.4,63.86 42.73,63.94 42.93,64.19 42.98,66.46 43.23,66.81 43.18,67.91 42.73,68.44 42.78,74.76 41.83,75.85 41.85,76.39 ; 38.68,61.81 33.55,61.8 32.8,62.56 31.98,62.59 31.53,62.11 31.53,58.14 32.53,57.06 32.55,43.51 32.03,43.04 32.03,37.39 30.75,36.19 30.75,35.21 31.98,33.94 v1(32.56,33.7) ; 38.68,61.81 38.68,61.59 39.7,60.56 40.5,60.56 40.95,61.06 40.95,62.11 41.75,62.81 49.85,62.86 51.15,64.14 51.1,69.96 49.55,71.54 46.28,71.51 45.79,72 45.79,74.57 45.33,75.03 45.33,76.39 48.6,79.66 54.73,79.66 59.23,84.21 62.1,84.24 62.6,84.74 63.83,84.71 64.38,85.24 65.63,85.21 66.15,85.73 70.17,85.73 71.18,86.74 84.65,86.74 85.23,86.54 ; v1(41.2,32.62) 41.6,32.11 45.53,32.09 R75.1 R74.1 ; v1(99.33,134.76) 99.2,135.66 99.2,138.14 102.13,141.07 107.36,141.07 109.35,143.06 110.63,143.06 TP85.1 114.43,146.71 114.4,149.59 P6.19 ; P1.26 98.18,92.86 98.18,113.74 105.88,121.44 105.88,124.49
